# Allegro board Learn.brd (continued)
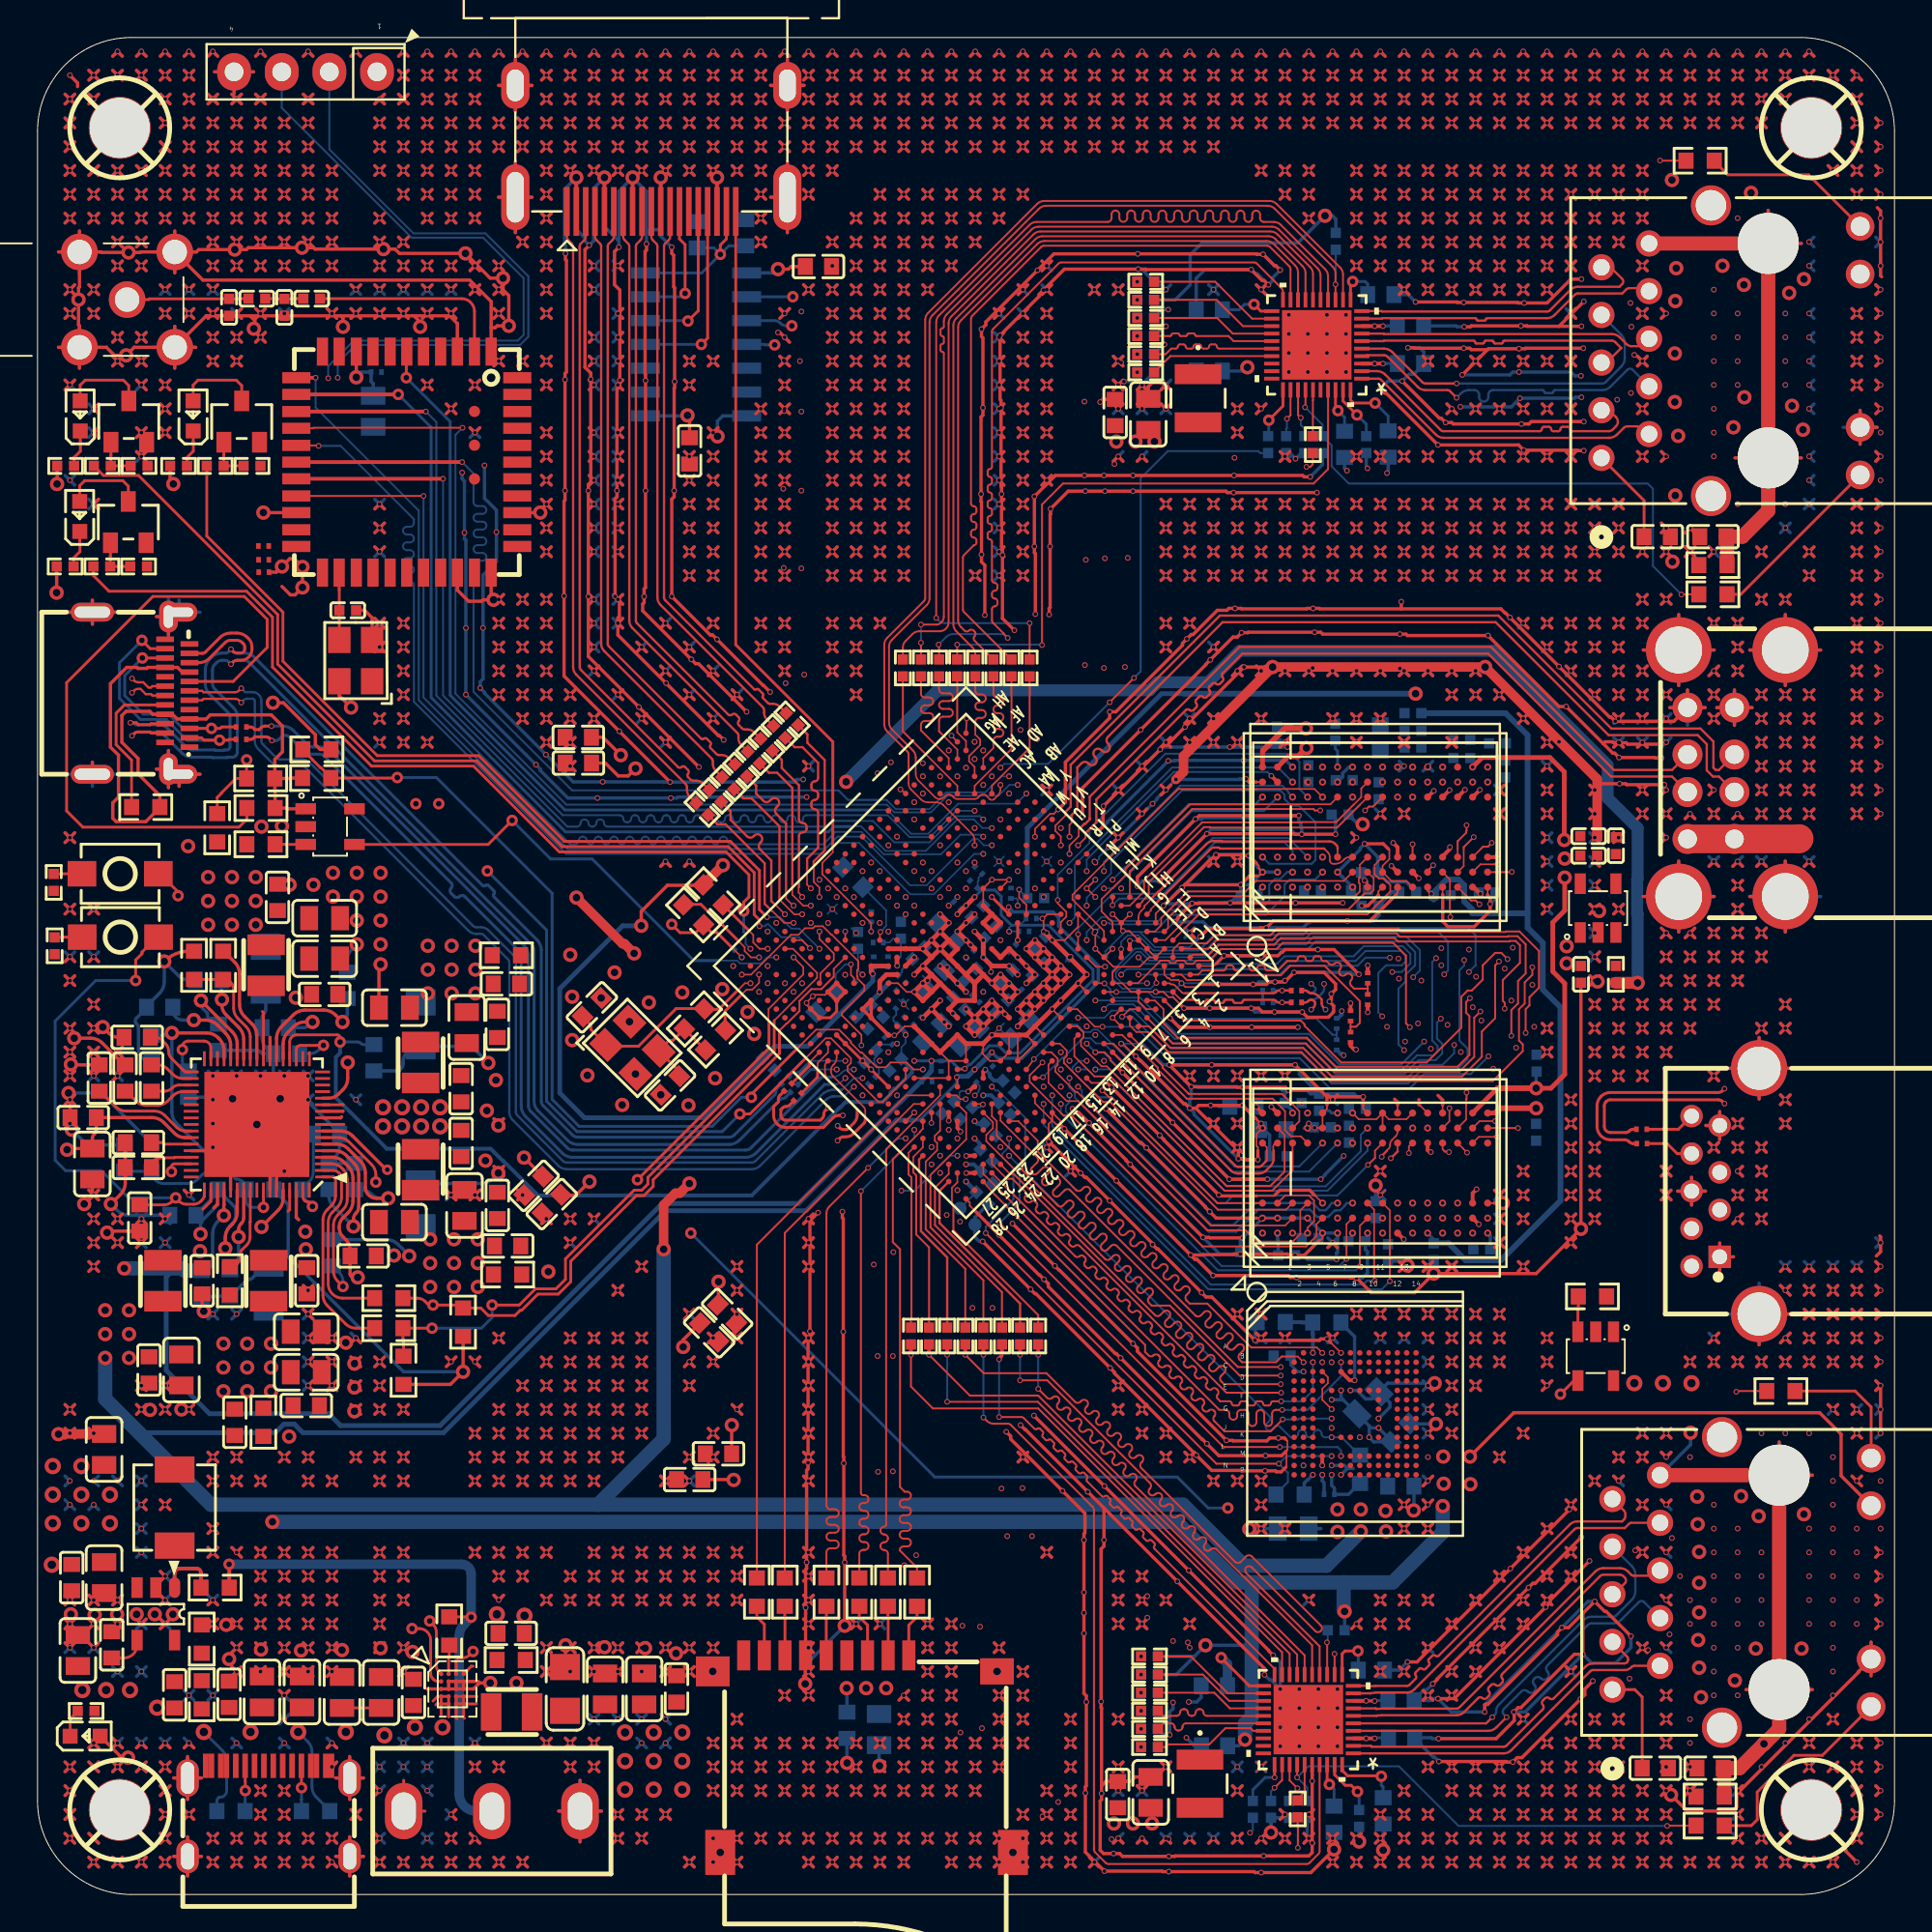
[diagram p0: board, top side]
## Routing (per net, layer and track width the routed paths; a pad name or vN(x,y) marks a point on that pad's centre or on a via; arc(x,y) is an arc through that point) (continued)
  TOP w0.178: 75.13,3.25 v1(75.38,2.99) ; v1(75.38,2.99) 75.64,2.74 ; v1(75.38,2.99) 75.64,3.25 ; v1(75.38,2.99) 75.13,2.74 ; 80.21,94.18 v1(80.46,94.43) ; v1(80.46,94.43) 80.21,94.69 ; v1(80.46,94.43) 80.72,94.69 ; v1(80.46,94.43) 80.72,94.18 ; v1(67.76,74.11) 68.02,74.37 ; v1(67.76,74.11) 67.51,73.86 ; v1(67.76,74.11) 68.02,73.86 ; v1(67.76,74.11) 67.51,74.37 ; 9.09,90.88 v1(9.34,90.62) ; v1(9.34,90.62) 9.6,90.37 ; v1(9.34,90.62) 9.09,90.37 ; v1(9.34,90.62) 9.6,90.88 ; v1(11.88,22.04) 12.14,22.3 ; v1(11.88,22.04) 12.14,21.79 ; v1(11.88,22.04) 11.63,22.3 ; v1(11.88,22.04) 11.63,21.79 ; v1(84.27,90.62) 84.53,90.88 ; v1(84.27,90.62) 84.02,90.37 ; v1(84.27,90.62) 84.02,90.88 ; v1(84.27,90.62) 84.53,90.37 ; 10.36,18.49 v1(10.61,18.23) ; v1(10.61,18.23) 10.87,17.98 ; v1(10.61,18.23) 10.87,18.49 ; v1(81.73,65.22) 81.99,65.48 ; v1(81.73,65.22) 81.48,65.48 ; v1(81.73,65.22) 81.99,64.97 ; v1(43.63,63.95) 43.89,64.21 ; v1(43.63,63.95) 43.89,63.7 ; v1(43.63,63.95) 43.38,64.21 ; v1(43.63,63.95) 43.38,63.7 ; 30.68,17.98 v1(30.93,18.23) ; v1(30.93,18.23) 31.19,18.49 ; v1(30.93,18.23) 30.68,18.49 ; v1(30.93,18.23) 31.19,17.98 ; v1(48.71,9.34) 48.97,9.09 ; v1(48.71,9.34) 48.97,9.6 ; v1(48.71,9.34) 48.46,9.6 ; v1(48.71,9.34) 48.46,9.09 ; v1(34.74,11.88) 35,12.14 ; v1(34.74,11.88) 34.49,12.14 ; v1(34.74,11.88) 34.49,11.63 ; v1(34.74,11.88) 35,11.63 ; 44.65,90.88 v1(44.9,90.62) ; v1(44.9,90.62) 45.16,90.37 ; v1(44.9,90.62) 45.16,90.88 ; v1(44.9,90.62) 44.65,90.37 ; v1(27.12,24.58) 27.38,24.33 ; v1(27.12,24.58) 26.87,24.84 ; v1(27.12,24.58) 26.87,24.33 ; v1(27.12,24.58) 27.38,24.84 ; 81.48,74.37 v1(81.73,74.11) ; v1(81.73,74.11) 81.99,74.37 ; v1(81.73,74.11) 81.99,73.86 ; v1(81.73,74.11) 81.48,73.86 ; 3.25,73.86 v1(2.99,74.11) 3.25,74.37 ; v1(85.54,81.73) 85.8,81.48 ; v1(85.54,81.73) 85.29,81.99 ; v1(85.54,81.73) 85.8,81.99 ; v1(85.54,81.73) 85.29,81.48 ; v1(10.61,93.16) 10.87,93.42 ; v1(10.61,93.16) 10.36,92.91 ; v1(10.61,93.16) 10.36,93.42 ; v1(10.61,93.16) 10.87,92.91 ; v1(10.61,83) 10.87,82.75 ; v1(10.61,83) 10.36,82.75 ; v1(10.61,83) 10.87,83.26 ; v1(10.61,83) 10.36,83.26 ; v1(96.97,66.49) 97.23,66.75 ; v1(96.97,66.49) 96.72,66.24 ; v1(96.97,66.49) 96.72,66.75 ; v1(96.97,66.49) 97.23,66.24 ; 26.87,73.1 v1(27.12,72.84) ; v1(27.12,72.84) 26.87,72.59 ; v1(27.12,72.84) 27.38,72.59 ; v1(27.12,72.84) 27.38,73.1 ; 20.52,61.67 v1(20.77,61.41) ; v1(20.77,61.41) 20.52,61.16 ; v1(20.77,61.41) 21.03,61.16 ; v1(20.77,61.41) 21.03,61.67 ; 11.63,88.34 v1(11.88,88.08) ; v1(11.88,88.08) 12.14,88.34 ; v1(11.88,88.08) 12.14,87.83 ; v1(11.88,88.08) 11.63,87.83 ; 47.19,12.9 v1(47.44,13.15) ; v1(47.44,13.15) 47.7,12.9 ; v1(47.44,13.15) 47.7,13.41 ; v1(47.44,13.15) 47.19,13.41 ; v1(77.92,16.96) 78.18,17.22 ; v1(77.92,16.96) 77.67,17.22 ; v1(77.92,16.96) 77.67,16.71 ; v1(77.92,16.96) 78.18,16.71 ; 44.65,85.8 v1(44.9,85.54) ; v1(44.9,85.54) 44.65,85.29 ; v1(44.9,85.54) 45.16,85.29 ; v1(44.9,85.54) 45.16,85.8 ; v1(37.28,25.85) 37.54,25.6 ; v1(37.28,25.85) 37.54,26.11 ; v1(37.28,25.85) 37.03,26.11 ; v1(18.23,22.04) 18.49,22.3 ; v1(18.23,22.04) 17.98,21.79 ; v1(18.23,22.04) 18.49,21.79 ; v1(18.23,22.04) 17.98,22.3 ; 15.44,15.95 v1(15.69,15.69) ; v1(15.69,15.69) 15.95,15.44 ; v1(15.69,15.69) 15.44,15.44 ; v1(15.69,15.69) 15.95,15.95 ; 64.97,19.25 v1(65.22,19.5) ; v1(65.22,19.5) 65.48,19.76 ; v1(65.22,19.5) 64.97,19.76 ; v1(65.22,19.5) 65.48,19.25 ; v1(84.27,56.33) 84.53,56.59 ; v1(84.27,56.33) 84.02,56.08 ; v1(84.27,56.33) 84.02,56.59 ; v1(84.27,56.33) 84.53,56.08 ; v1(8.07,90.62) 8.33,90.88 ; v1(8.07,90.62) 8.33,90.37 ; v1(8.07,90.62) 7.82,90.88 ; v1(8.07,90.62) 7.82,90.37 ; v1(11.88,4.26) 12.14,4.01 ; v1(11.88,4.26) 11.63,4.01 ; v1(11.88,4.26) 12.14,4.52 ; v1(11.88,4.26) 11.63,4.52 ; 6.55,92.91 v1(6.8,93.16) ; v1(6.8,93.16) 7.06,92.91 ; v1(6.8,93.16) 7.06,93.42 ; v1(6.8,93.16) 6.55,93.42 ; v1(25.85,88.08) 26.11,87.83 ; v1(25.85,88.08) 26.11,88.34 ; v1(25.85,88.08) 25.6,87.83 ; v1(25.85,88.08) 25.6,88.34 ; v1(2.99,24.58) 3.25,24.33 ; v1(2.99,24.58) 3.25,24.84 ; v1(2.99,24.58) 2.74,24.33 ; v1(2.99,24.58) 2.74,24.84 ; 77.67,97.23 v1(77.92,96.97) ; v1(77.92,96.97) 78.18,96.72 ; v1(77.92,96.97) 78.18,97.23 ; v1(77.92,96.97) 77.67,96.72 ; 29.41,75.64 v1(29.66,75.38) 29.41,75.13 ; 76.4,81.99 v1(76.65,81.73) ; v1(76.65,81.73) 76.4,81.48 ; v1(76.65,81.73) 76.91,81.99 ; v1(76.65,81.73) 76.91,81.48 ; v1(75.38,89.35) 75.64,89.61 ; v1(75.38,89.35) 75.13,89.61 ; v1(75.38,89.35) 75.13,89.1 ; v1(75.38,89.35) 75.64,89.1 ; v1(52.52,11.88) 52.78,12.14 ; v1(52.52,11.88) 52.78,11.63 ; v1(52.52,11.88) 52.27,11.63 ; v1(52.52,11.88) 52.27,12.14 ; U19.4 88.89,63.27 ; U19.4 87.95,64.21 ; U19.4 87.01,63.27 ; U19.4 87.22,62.53 v1(84.1,62.53) 83.87,62.77 83.79,62.77 v1(81.1,65.46) v1(78.49,68.07) 78.25,68.3 78.23,68.3 78,68.53 72.72,68.53 72.69,68.55 ; 76.4,30.68 v1(76.65,30.93) ; v1(76.65,30.93) 76.91,31.19 ; v1(76.65,30.93) 76.91,30.68 ; v1(76.65,30.93) 76.4,31.19 ; 12.9,17.22 v1(13.15,16.96) ; v1(13.15,16.96) 13.41,17.22 ; v1(13.15,16.96) 13.41,16.71 ; v1(13.15,16.96) 12.9,16.71 ; v1(38.55,72.84) 38.81,72.59 ; v1(38.55,72.84) 38.3,73.1 ; v1(38.55,72.84) 38.3,72.59 ; v1(38.55,72.84) 38.81,73.1 ; 44.65,87.83 v1(44.9,88.08) ; v1(44.9,88.08) 44.65,88.34 ; v1(44.9,88.08) 45.16,88.34 ; v1(44.9,88.08) 45.16,87.83 ; 66.24,29.92 v1(66.49,29.66) 66.75,29.92 ; 10.36,23.06 v1(10.61,23.31) ; v1(10.61,23.31) 10.36,23.57 ; v1(10.61,23.31) 10.87,23.06 ; v1(10.61,23.31) 10.87,23.57 ; v1(57.6,80.46) 57.86,80.72 ; v1(57.6,80.46) 57.35,80.21 ; v1(57.6,80.46) 57.35,80.72 ; v1(57.6,80.46) 57.86,80.21 ; v1(28.39,24.58) 28.65,24.84 ; v1(28.39,24.58) 28.65,24.33 ; v1(28.39,24.58) 28.14,24.84 ; v1(28.39,24.58) 28.14,24.33 ; 37.03,93.42 v1(37.28,93.16) ; v1(37.28,93.16) 37.03,92.91 ; v1(37.28,93.16) 37.54,93.42 ; v1(37.28,93.16) 37.54,92.91 ; v1(67.76,70.3) 68.02,70.05 ; v1(67.76,70.3) 67.51,70.05 ; v1(67.76,70.3) 67.51,70.56 ; v1(67.76,70.3) 68.02,70.56 ; 52.27,73.86 v1(52.52,74.11) ; v1(52.52,74.11) 52.78,73.86 ; v1(52.52,74.11) 52.27,74.37 ; v1(52.52,74.11) 52.78,74.37 ; v1(13.15,90.62) 13.41,90.88 ; v1(13.15,90.62) 12.9,90.88 ; v1(13.15,90.62) 12.9,90.37 ; v1(13.15,90.62) 13.41,90.37 ; 38.3,76.91 v1(38.55,76.65) ; v1(38.55,76.65) 38.3,76.4 ; v1(38.55,76.65) 38.81,76.91 ; v1(38.55,76.65) 38.81,76.4 ; v1(96.97,22.04) 97.23,21.79 ; v1(96.97,22.04) 96.72,22.3 ; v1(96.97,22.04) 97.23,22.3 ; v1(51.25,90.62) 51.51,90.37 ; v1(51.25,90.62) 51,90.88 ; v1(51.25,90.62) 51.51,90.88 ; v1(51.25,90.62) 51,90.37 ; 49.73,70.05 v1(49.98,70.3) ; v1(49.98,70.3) 50.24,70.05 ; v1(49.98,70.3) 50.24,70.56 ; v1(49.98,70.3) 49.73,70.56 ; v1(90.62,28.39) 90.88,28.65 ; v1(90.62,28.39) 90.88,28.14 ; v1(90.62,28.39) 90.37,28.14 ; v1(90.62,28.39) 90.37,28.65 ; 5.28,89.1 v1(5.53,89.35) ; v1(5.53,89.35) 5.79,89.1 ; v1(5.53,89.35) 5.79,89.61 ; v1(5.53,89.35) 5.28,89.61 ; 89.1,51 v1(89.35,51.25) ; v1(89.35,51.25) 89.61,51.51 ; v1(89.35,51.25) 89.1,51.51 ; v1(89.35,51.25) 89.61,51 ; 51,1.47 v1(51.25,1.72) ; v1(51.25,1.72) 51.51,1.47 ; v1(51.25,1.72) 51,1.98 ; v1(51.25,1.72) 51.51,1.98 ; 58.62,17.22 v1(58.87,16.96) ; v1(58.87,16.96) 59.13,16.71 ; v1(58.87,16.96) 58.62,16.71 ; v1(58.87,16.96) 59.13,17.22 ; 24.33,16.71 v1(24.58,16.96) ; v1(24.58,16.96) 24.33,17.22 ; v1(24.58,16.96) 24.84,16.71 ; v1(24.58,16.96) 24.84,17.22 ; 26.87,89.61 v1(27.12,89.35) ; v1(27.12,89.35) 26.87,89.1 ; v1(27.12,89.35) 27.38,89.61 ; v1(27.12,89.35) 27.38,89.1 ; 82.75,45.92 v1(83,46.17) ; v1(83,46.17) 83.26,46.43 ; v1(83,46.17) 82.75,46.43 ; v1(83,46.17) 83.26,45.92 ; 90.37,41.35 v1(90.62,41.09) ; v1(90.62,41.09) 90.88,41.35 ; v1(90.62,41.09) 90.37,40.84 ; v1(90.62,41.09) 90.88,40.84 ; 78.94,85.29 v1(79.19,85.54) ; v1(79.19,85.54) 79.45,85.8 ; v1(79.19,85.54) 78.94,85.8 ; v1(79.19,85.54) 79.45,85.29 ; 19.25,64.21 v1(19.5,63.95) ; v1(19.5,63.95) 19.25,63.7 ; v1(19.5,63.95) 19.76,63.7 ; v1(19.5,63.95) 19.76,64.21 ; 66.24,97.23 v1(66.49,96.97) ; v1(66.49,96.97) 66.75,97.23 ; v1(66.49,96.97) 66.75,96.72 ; v1(66.49,96.97) 66.24,96.72 ; 2.74,8.33 v1(2.99,8.07) ; v1(2.99,8.07) 3.25,7.82 ; v1(2.99,8.07) 3.25,8.33 ; v1(2.99,8.07) 2.74,7.82 ; 53.54,97.99 v1(53.79,98.24) 54.05,97.99 ; v1(38.55,5.53) 38.81,5.79 ; v1(38.55,5.53) 38.3,5.28 ; v1(38.55,5.53) 38.81,5.28 ; v1(38.55,5.53) 38.3,5.79 ; 44.65,71.83 v1(44.9,71.57) ; v1(44.9,71.57) 44.65,71.32 ; v1(44.9,71.57) 45.16,71.32 ; v1(44.9,71.57) 45.16,71.83 ; 92.91,61.67 v1(93.16,61.41) ; v1(93.16,61.41) 92.91,61.16 ; v1(93.16,61.41) 93.42,61.16 ; v1(93.16,61.41) 93.42,61.67 ; 80.21,73.1 v1(80.46,72.84) ; v1(80.46,72.84) 80.72,73.1 ; v1(80.46,72.84) 80.21,72.59 ; v1(80.46,72.84) 80.72,72.59 ; v1(94.43,61.41) 94.69,61.67 ; v1(94.43,61.41) 94.18,61.67 ; v1(94.43,61.41) 94.18,61.16 ; v1(94.43,61.41) 94.69,61.16 ; 40.84,60.4 v1(41.09,60.14) 40.84,59.89 ; v1(63.95,71.57) 64.21,71.83 ; v1(63.95,71.57) 63.7,71.32 ; v1(63.95,71.57) 63.7,71.83 ; v1(63.95,71.57) 64.21,71.32 ; v1(76.65,79.19) 76.91,78.94 ; v1(76.65,79.19) 76.4,79.45 ; v1(76.65,79.19) 76.91,79.45 ; v1(76.65,79.19) 76.4,78.94 ; v1(79.19,81.73) 79.45,81.48 ; v1(79.19,81.73) 79.45,81.99 ; v1(79.19,81.73) 78.94,81.99 ; v1(79.19,81.73) 78.94,81.48 ; 78.94,73.1 v1(79.19,72.84) ; v1(79.19,72.84) 79.45,73.1 ; v1(79.19,72.84) 78.94,72.59 ; v1(79.19,72.84) 79.45,72.59 ; v1(44.9,93.16) 45.16,93.42 ; v1(44.9,93.16) 44.65,92.91 ; v1(44.9,93.16) 45.16,92.91 ; v1(44.9,93.16) 44.65,93.42 ; 40.84,90.37 v1(41.09,90.62) ; v1(41.09,90.62) 41.35,90.37 ; v1(41.09,90.62) 41.35,90.88 ; v1(41.09,90.62) 40.84,90.88 ; 45.92,94.69 v1(46.17,94.43) ; v1(46.17,94.43) 46.43,94.69 ; v1(46.17,94.43) 46.43,94.18 ; v1(46.17,94.43) 45.92,94.18 ; 57.35,5.79 v1(57.6,5.53) 57.86,5.79 ; 5.28,34.49 v1(5.53,34.74) ; v1(5.53,34.74) 5.28,35 ; v1(5.53,34.74) 5.79,35 ; v1(79.19,14.42) 79.45,14.17 ; v1(79.19,14.42) 78.94,14.17 ; v1(79.19,14.42) 79.45,14.68 ; v1(79.19,14.42) 78.94,14.68 ; v1(53.79,83) 54.05,82.75 ; v1(53.79,83) 54.05,83.26 ; v1(53.79,83) 53.54,82.75 ; v1(53.79,83) 53.54,83.26 ; v1(96.97,6.8) 97.23,7.06 ; v1(96.97,6.8) 97.23,6.55 ; v1(96.97,6.8) 96.72,6.55 ; v1(96.97,6.8) 96.72,7.06 ; v1(65.56,38.13) v1(63.53,38.13) v1(60.5,41.15) v1(57.84,43.81) 57.56,44.09 ; v1(77.92,89.35) 78.18,89.1 ; v1(77.92,89.35) 77.67,89.61 ; v1(77.92,89.35) 77.67,89.1 ; v1(77.92,89.35) 78.18,89.61 ; 14.17,12.9 v1(14.42,13.15) ; v1(14.42,13.15) 14.17,13.41 ; v1(14.42,13.15) 14.68,12.9 ; v1(14.42,13.15) 14.68,13.41 ; 26.87,88.34 v1(27.12,88.08) ; v1(27.12,88.08) 26.87,87.83 ; v1(27.12,88.08) 27.38,87.83 ; v1(27.12,88.08) 27.38,88.34 ; 6.55,2.74 v1(6.8,2.99) ; v1(6.8,2.99) 7.06,2.74 ; v1(6.8,2.99) 6.55,3.25 ; v1(6.8,2.99) 7.06,3.25 ; 21.79,95.45 v1(22.04,95.7) ; v1(22.04,95.7) 22.3,95.45 ; v1(22.04,95.7) 22.3,95.96 ; v1(22.04,95.7) 21.79,95.96 ; 31.95,17.22 v1(32.2,16.96) ; v1(32.2,16.96) 32.46,17.22 ; v1(32.2,16.96) 31.95,16.71 ; v1(32.2,16.96) 32.46,16.71 ; v1(41.09,13.15) 41.35,12.9 ; v1(41.09,13.15) 40.84,13.41 ; v1(41.09,13.15) 40.84,12.9 ; v1(41.09,13.15) 41.35,13.41 ; v1(34.74,70.3) 35,70.05 ; v1(34.74,70.3) 34.49,70.05 ; v1(34.74,70.3) 34.49,70.56 ; v1(34.74,70.3) 35,70.56 ; 20.52,85.8 v1(20.77,85.54) 21.03,85.8 ; v1(60.14,72.84) 60.4,73.1 ; v1(60.14,72.84) 60.4,72.59 ; v1(60.14,72.84) 59.89,73.1 ; v1(60.14,72.84) 59.89,72.59 ; 96.72,83.26 v1(96.97,83) ; v1(96.97,83) 97.23,83.26 ; v1(96.97,83) 97.23,82.75 ; v1(96.97,83) 96.72,82.75 ; 85.29,76.4 v1(85.54,76.65) ; v1(85.54,76.65) 85.8,76.4 ; v1(85.54,76.65) 85.8,76.91 ; v1(85.54,76.65) 85.29,76.91 ; 9.09,82.75 v1(9.34,83) ; v1(9.34,83) 9.6,83.26 ; v1(9.34,83) 9.6,82.75 ; v1(9.34,83) 9.09,83.26 ; 63.7,70.56 v1(63.95,70.3) ; v1(63.95,70.3) 64.21,70.05 ; v1(63.95,70.3) 64.21,70.56 ; v1(63.95,70.3) 63.7,70.05 ; 35.76,15.44 v1(36.01,15.69) ; v1(36.01,15.69) 36.27,15.44 ; v1(36.01,15.69) 36.27,15.95 ; v1(36.01,15.69) 35.76,15.95 ; 6.55,78.94 v1(6.8,79.19) ; v1(6.8,79.19) 7.06,79.45 ; v1(6.8,79.19) 7.06,78.94 ; v1(6.8,79.19) 6.55,79.45 ; v1(81.73,96.97) 81.99,97.23 ; v1(81.73,96.97) 81.99,96.72 ; v1(81.73,96.97) 81.48,96.72 ; v1(81.73,96.97) 81.48,97.23 ; v1(42.36,72.84) 42.62,72.59 ; v1(42.36,72.84) 42.62,73.1 ; v1(42.36,72.84) 42.11,72.59 ; v1(42.36,72.84) 42.11,73.1 ; 29.41,69.29 v1(29.66,69.03) 29.41,68.78 ; v1(43.63,96.97) 43.89,97.23 ; v1(43.63,96.97) 43.89,96.72 ; v1(43.63,96.97) 43.38,97.23 ; v1(43.63,96.97) 43.38,96.72 ; v1(79.19,37.28) 79.45,37.03 ; v1(79.19,37.28) 78.94,37.03 ; v1(79.19,37.28) 79.45,37.54 ; v1(79.19,37.28) 78.94,37.54 ; v1(79.19,33.47) 79.45,33.22 ; v1(79.19,33.47) 78.94,33.22 ; v1(79.19,33.47) 78.94,33.73 ; v1(79.19,33.47) 79.45,33.73 ; 25.6,17.98 v1(25.85,18.23) ; v1(25.85,18.23) 25.6,18.49 ; v1(25.85,18.23) 26.11,18.49 ; v1(25.85,18.23) 26.11,17.98 ; 2.74,7.06 v1(2.99,6.8) ; v1(2.99,6.8) 3.25,6.55 ; v1(2.99,6.8) 3.25,7.06 ; v1(2.99,6.8) 2.74,6.55 ; v1(75.38,24.58) 75.64,24.33 ; v1(75.38,24.58) 75.13,24.33 ; v1(75.38,24.58) 75.13,24.84 ; v1(75.38,24.58) 75.64,24.84 ; v1(83,91.89) 83.26,91.64 ; v1(83,91.89) 83.26,92.15 ; v1(83,91.89) 82.75,92.15 ; v1(83,91.89) 82.75,91.64 ; v1(51.25,9.34) 51.51,9.6 ; v1(51.25,9.34) 51,9.09 ; v1(51.25,9.34) 51.51,9.09 ; v1(51.25,9.34) 51,9.6 ; v1(70.3,14.42) 70.56,14.68 ; v1(70.3,14.42) 70.05,14.17 ; v1(70.3,14.42) 70.56,14.17 ; 85.29,59.13 v1(85.54,58.87) ; v1(85.54,58.87) 85.8,59.13 ; v1(85.54,58.87) 85.29,58.62 ; v1(85.54,58.87) 85.8,58.62 ; 6.55,25.6 v1(6.8,25.85) ; v1(6.8,25.85) 7.06,26.11 ; v1(6.8,25.85) 6.55,26.11 ; v1(6.8,25.85) 7.06,25.6 ; 17.98,1.47 v1(18.23,1.72) ; v1(18.23,1.72) 17.98,1.98 ; v1(18.23,1.72) 18.49,1.98 ; v1(18.23,1.72) 18.49,1.47 ; 72.59,57.86 v1(72.84,57.6) ; v1(72.84,57.6) 73.1,57.35 ; v1(72.84,57.6) 73.1,57.86 ; v1(72.84,57.6) 72.59,57.35 ; 14.17,23.06 v1(14.42,23.31) ; v1(14.42,23.31) 14.68,23.06 ; v1(14.42,23.31) 14.68,23.57 ; v1(14.42,23.31) 14.17,23.57 ; v1(86.81,57.6) 87.07,57.35 ; v1(86.81,57.6) 87.07,57.86 ; v1(86.81,57.6) 86.56,57.35 ; v1(86.81,57.6) 86.56,57.86 ; U19.10 89.37,66.34 ; U19.10 87.48,68.23 ; U19.10 87.48,64.45 ; U19.10 85.59,66.34 ; 59.89,7.06 v1(60.14,6.8) ; v1(60.14,6.8) 60.4,6.55 ; v1(60.14,6.8) 60.4,7.06 ; v1(60.14,6.8) 59.89,6.55 ; v1(72.84,65.22) 73.1,65.48 ; v1(72.84,65.22) 72.59,65.48 ; v1(72.84,65.22) 72.59,64.97 ; v1(72.84,65.22) 73.1,64.97 ; v1(41.09,16.96) 41.35,17.22 ; v1(41.09,16.96) 41.35,16.71 ; v1(41.09,16.96) 40.84,16.71 ; v1(41.09,16.96) 40.84,17.22 ; v1(96.97,30.93) 97.23,30.68 ; v1(96.97,30.93) 96.72,30.68 ; v1(96.97,30.93) 97.23,31.19 ; v1(96.97,30.93) 96.72,31.19 ; v1(74.11,90.62) 74.37,90.88 ; v1(74.11,90.62) 73.86,90.88 ; v1(74.11,90.62) 73.86,90.37 ; v1(74.11,90.62) 74.37,90.37 ; 43.38,66.75 v1(43.63,66.49) ; v1(43.63,66.49) 43.38,66.24 ; v1(43.63,66.49) 43.89,66.75 ; v1(43.63,66.49) 43.89,66.24 ; 21.79,94.69 v1(22.04,94.43) ; v1(22.04,94.43) 21.79,94.18 ; v1(22.04,94.43) 22.3,94.69 ; v1(22.04,94.43) 22.3,94.18 ; 70.05,65.48 v1(70.3,65.22) ; v1(70.3,65.22) 70.05,64.97 ; v1(70.3,65.22) 70.56,65.48 ; v1(70.3,65.22) 70.56,64.97 ; 92.91,29.41 v1(93.16,29.66) ; v1(93.16,29.66) 93.42,29.41 ; v1(93.16,29.66) 93.42,29.92 ; v1(9.34,1.72) 9.6,1.98 ; v1(9.34,1.72) 9.09,1.98 ; v1(9.34,1.72) 9.6,1.47 ; v1(9.34,1.72) 9.09,1.47 ; 10.36,94.69 v1(10.61,94.43) ; v1(10.61,94.43) 10.36,94.18 ; v1(10.61,94.43) 10.87,94.69 ; v1(10.61,94.43) 10.87,94.18 ; v1(76.65,13.15) 76.91,13.41 ; v1(76.65,13.15) 76.4,12.9 ; v1(76.65,13.15) 76.4,13.41 ; v1(76.65,13.15) 76.91,12.9 ; 64.97,94.69 v1(65.22,94.43) ; v1(65.22,94.43) 65.48,94.69 ; v1(65.22,94.43) 64.97,94.18 ; v1(65.22,94.43) 65.48,94.18 ; 29.41,76.4 v1(29.66,76.65) 29.41,76.91 ; 38.3,74.37 v1(38.55,74.11) ; v1(38.55,74.11) 38.3,73.86 ; v1(38.55,74.11) 38.81,73.86 ; v1(38.55,74.11) 38.81,74.37 ; v1(49.98,8.07) 50.24,7.82 ; v1(49.98,8.07) 49.73,7.82 ; v1(49.98,8.07) 49.73,8.33 ; v1(49.98,8.07) 50.24,8.33 ; v1(44.9,84.27) 45.16,84.02 ; v1(44.9,84.27) 45.16,84.53 ; v1(44.9,84.27) 44.65,84.53 ; v1(44.9,84.27) 44.65,84.02 ; v1(51.25,11.88) 51.51,12.14 ; v1(51.25,11.88) 51,12.14 ; v1(51.25,11.88) 51.51,11.63 ; v1(51.25,11.88) 51,11.63 ; v1(25.85,93.16) 26.11,93.42 ; v1(25.85,93.16) 25.6,93.42 ; v1(25.85,93.16) 26.11,92.91 ; v1(25.85,93.16) 25.6,92.91 ; 67.51,96.72 v1(67.76,96.97) ; v1(67.76,96.97) 68.02,97.23 ; v1(67.76,96.97) 68.02,96.72 ; v1(67.76,96.97) 67.51,97.23 ; 8.33,85.8 v1(8.07,85.54) 7.82,85.8 ; 37.03,3.25 v1(37.28,2.99) ; v1(37.28,2.99) 37.54,2.74 ; v1(37.28,2.99) 37.03,2.74 ; v1(37.28,2.99) 37.54,3.25 ; v1(83,9.34) 83.26,9.09 ; v1(83,9.34) 83.26,9.6 ; v1(83,9.34) 82.75,9.09 ; v1(83,9.34) 82.75,9.6 ; 70.05,62.94 v1(70.3,62.68) ; v1(70.3,62.68) 70.05,62.43 ; v1(70.3,62.68) 70.56,62.94 ; v1(70.3,62.68) 70.56,62.43 ; 73.86,89.61 v1(74.11,89.35) ; v1(74.11,89.35) 74.37,89.1 ; v1(74.11,89.35) 73.86,89.1 ; v1(74.11,89.35) 74.37,89.61 ; v1(34.74,63.95) 35,63.7 ; v1(34.74,63.95) 34.49,64.21 ; v1(34.74,63.95) 34.49,63.7 ; 67.51,97.99 v1(67.76,98.24) 68.02,97.99 ; 77.67,63.7 v1(77.92,63.95) ; v1(77.92,63.95) 78.18,64.21 ; v1(77.92,63.95) 78.18,63.7 ; v1(77.92,63.95) 77.67,64.21 ; v1(86.81,49.98) 87.07,49.73 ; v1(86.81,49.98) 87.07,50.24 ; v1(86.81,49.98) 86.56,50.24 ; v1(86.81,49.98) 86.56,49.73 ; 85.29,62.94 v1(85.54,62.68) 85.8,62.94 ; 70.05,97.99 v1(70.3,98.24) 70.56,97.99 ; v1(36.01,2.99) 36.27,2.74 ; v1(36.01,2.99) 36.27,3.25 ; v1(36.01,2.99) 35.76,2.74 ; v1(36.01,2.99) 35.76,3.25 ; v1(13.15,1.72) 13.41,1.47 ; v1(13.15,1.72) 12.9,1.98 ; v1(13.15,1.72) 12.9,1.47 ; v1(13.15,1.72) 13.41,1.98 ; 20.52,84.53 v1(20.77,84.27) ; v1(20.77,84.27) 21.03,84.53 ; v1(20.77,84.27) 20.52,84.02 ; v1(20.77,84.27) 21.03,84.02 ; 29.41,80.72 v1(29.66,80.46) 29.41,80.21 ; v1(85.54,96.97) 85.8,96.72 ; v1(85.54,96.97) 85.29,97.23 ; v1(85.54,96.97) 85.8,97.23 ; v1(85.54,96.97) 85.29,96.72 ; 1.47,56.59 v1(1.72,56.33) ; v1(1.72,56.33) 1.98,56.59 ; v1(1.72,56.33) 1.98,56.08 ; v1(1.72,56.33) 1.47,56.08 ; v1(61.41,67.76) 61.67,68.02 ; v1(61.41,67.76) 61.67,67.51 ; v1(61.41,67.76) 61.16,67.51 ; v1(61.41,67.76) 61.16,68.02 ; v1(44.9,95.7) 45.16,95.96 ; v1(44.9,95.7) 45.16,95.45 ; v1(44.9,95.7) 44.65,95.96 ; v1(44.9,95.7) 44.65,95.45 ; 2.74,85.29 v1(2.99,85.54) ; v1(2.99,85.54) 2.74,85.8 ; v1(2.99,85.54) 3.25,85.8 ; v1(2.99,85.54) 3.25,85.29 ; v1(86.81,24.58) 87.07,24.33 ; v1(86.81,24.58) 86.56,24.33 ; v1(86.81,24.58) 86.56,24.84 ; v1(86.81,24.58) 87.07,24.84 ; v1(29.66,24.58) 29.92,24.84 ; v1(29.66,24.58) 29.41,24.33 ; v1(29.66,24.58) 29.41,24.84 ; v1(29.66,24.58) 29.92,24.33 ; 38.3,3.25 v1(38.55,2.99) ; v1(38.55,2.99) 38.3,2.74 ; v1(38.55,2.99) 38.81,2.74 ; v1(38.55,2.99) 38.81,3.25 ; v1(58.87,15.69) 59.13,15.44 ; v1(58.87,15.69) 59.13,15.95 ; v1(58.87,15.69) 58.62,15.44 ; v1(58.87,15.69) 58.62,15.95 ; v1(4.26,89.35) 4.52,89.1 ; v1(4.26,89.35) 4.52,89.61 ; v1(4.26,89.35) 4.01,89.1 ; v1(4.26,89.35) 4.01,89.61 ; 11.63,90.37 v1(11.88,90.62) ; v1(11.88,90.62) 11.63,90.88 ; v1(11.88,90.62) 12.14,90.37 ; v1(11.88,90.62) 12.14,90.88 ; 83.26,51 v1(83,51.25) 83.26,51.51 ; v1(29.66,15.69) 29.92,15.44 ; v1(29.66,15.69) 29.41,15.44 ; v1(29.66,15.69) 29.41,15.95 ; v1(29.66,15.69) 29.92,15.95 ; v1(66.49,71.57) 66.75,71.32 ; v1(66.49,71.57) 66.75,71.83 ; v1(66.49,71.57) 66.24,71.32 ; v1(66.49,71.57) 66.24,71.83 ; v1(47.44,9.34) 47.7,9.09 ; v1(47.44,9.34) 47.19,9.6 ; v1(47.44,9.34) 47.19,9.09 ; v1(47.44,9.34) 47.7,9.6 ; 44.65,75.13 v1(44.9,75.38) ; v1(44.9,75.38) 45.16,75.64 ; v1(44.9,75.38) 45.16,75.13 ; v1(44.9,75.38) 44.65,75.64 ; v1(42.36,65.22) 42.62,65.48 ; v1(42.36,65.22) 42.62,64.97 ; v1(42.36,65.22) 42.11,64.97 ; v1(42.36,65.22) 42.11,65.48 ; 44.65,97.99 v1(44.9,98.24) 45.16,97.99 ; 42.11,94.18 v1(42.36,94.43) ; v1(42.36,94.43) 42.11,94.69 ; v1(42.36,94.43) 42.62,94.69 ; v1(42.36,94.43) 42.62,94.18 ; v1(47.44,96.97) 47.7,96.72 ; v1(47.44,96.97) 47.19,97.23 ; v1(47.44,96.97) 47.7,97.23 ; v1(47.44,96.97) 47.19,96.72 ; v1(60.14,71.57) 60.4,71.32 ; v1(60.14,71.57) 59.89,71.32 ; v1(60.14,71.57) 60.4,71.83 ; v1(60.14,71.57) 59.89,71.83 ; v1(27.12,81.73) 27.38,81.48 ; v1(27.12,81.73) 27.38,81.99 ; v1(27.12,81.73) 26.87,81.99 ; v1(27.12,81.73) 26.87,81.48 ; 30.68,32.46 v1(30.93,32.2) ; v1(30.93,32.2) 30.68,31.95 ; v1(30.93,32.2) 31.19,31.95 ; v1(30.93,32.2) 31.19,32.46 ; v1(66.49,72.84) 66.75,73.1 ; v1(66.49,72.84) 66.24,73.1 ; v1(66.49,72.84) 66.24,72.59 ; v1(66.49,72.84) 